# KiCad board RUSP_Mainboard_panelMockup.kicad_pcb
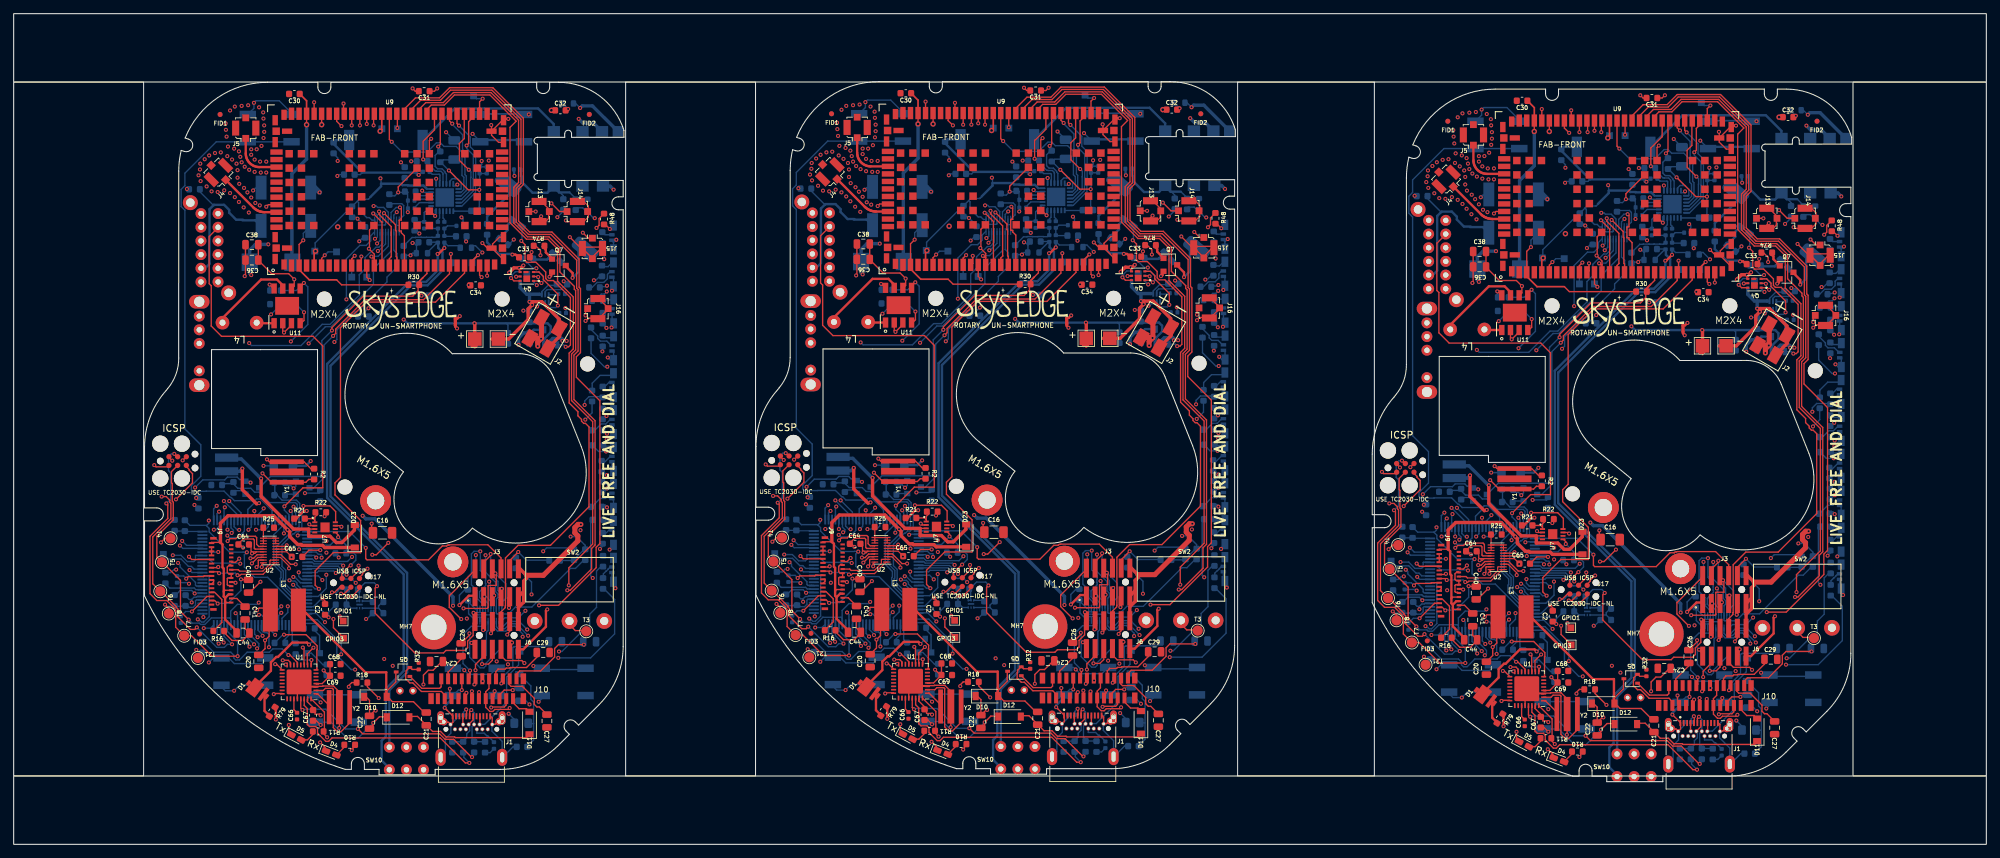
[diagram p0: board, top side]
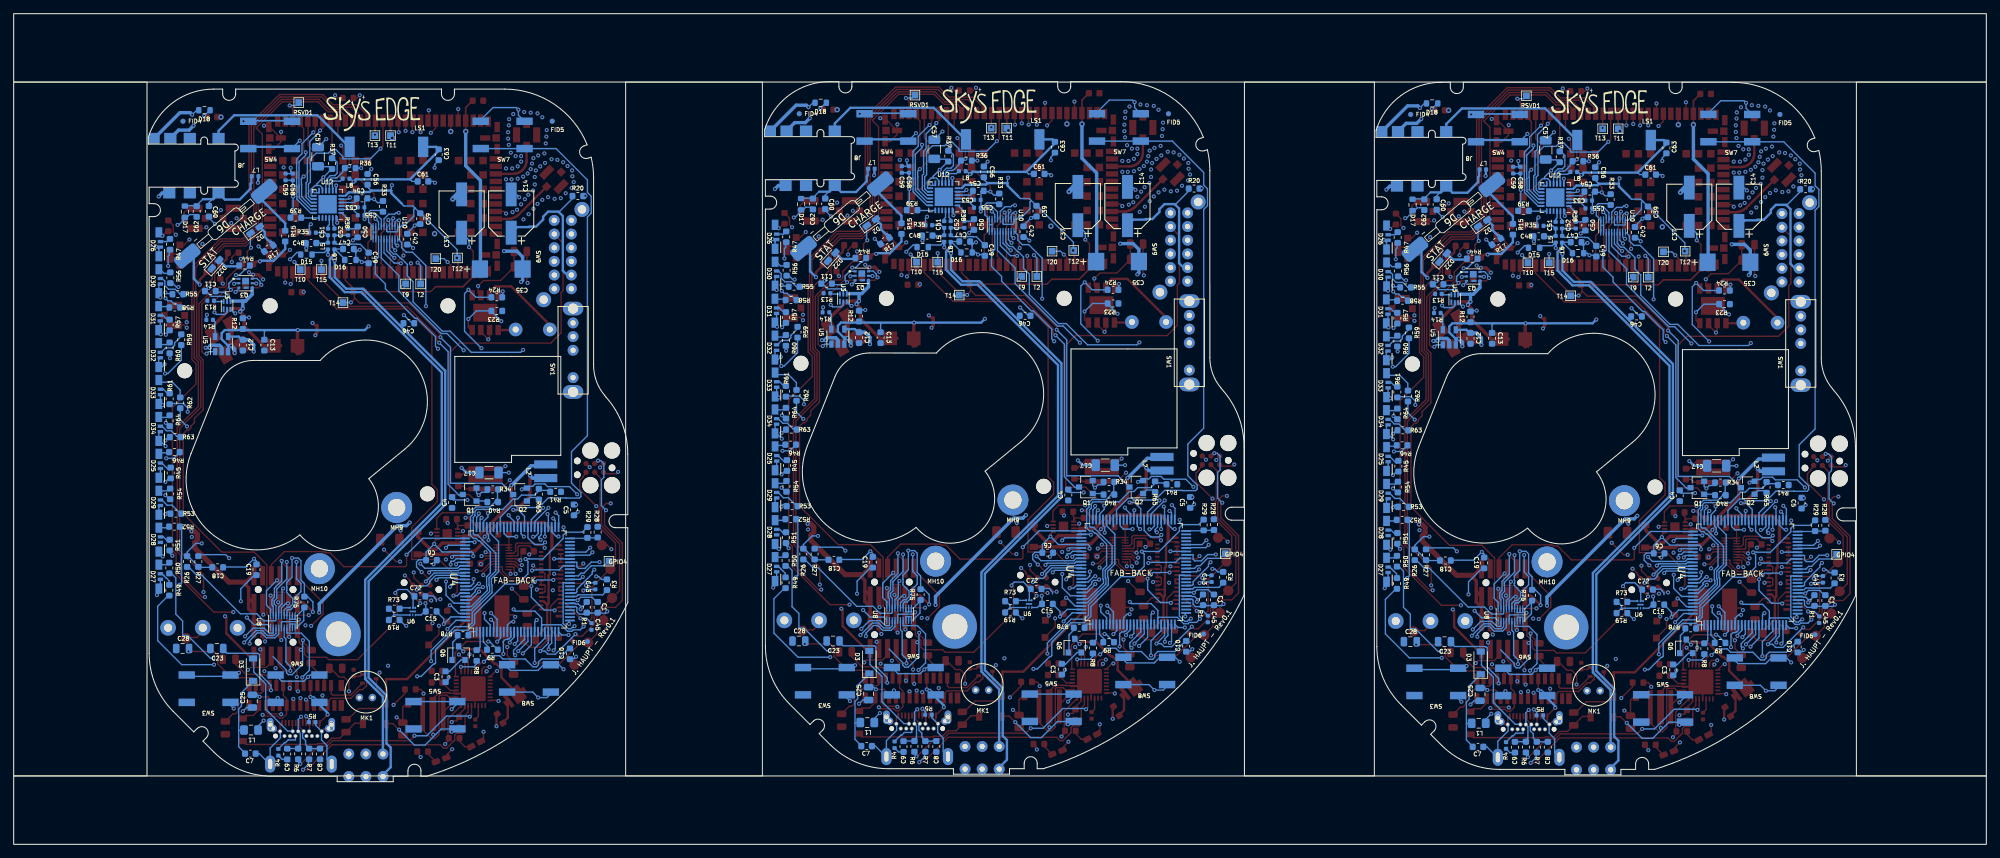
[diagram p1: board, bottom side, seen from below]

Outline 288.5 x 121.5 mm; copper layers: L1_GND+GNDA.Cu, L2_3v3+GNDA.Cu, L3_3v8+GNDA.Cu, L4_GND.Cu, L5_3v8.Cu, L6_GND.Cu. Coordinates in mm from the lower left corner of the outline.
Outline path: rectangle 0,121.5 288.5,111.5 ; rectangle 0,111.5 19,10 ; rectangle 0,10 288.5,0 ; rectangle 89.5,111.5 108.5,10 ; rectangle 179,111.5 199,10 ; rectangle 269,111.5 288.5,10 ; 37.14,111.46 arc(29.86,109.23) 25.08,103.31 25.53,103.17 arc(26.15,101.97) 24.95,101.36 24.5,101.5 arc(24.23,99.99) 24.14,98.46 24.14,71.14 arc(23.73,68.76) 22.52,66.66 22.31,66.39 arc(19.96,62.52) 19.14,58.07 19.14,49.21 20.94,49.21 arc(21.89,48.26) 20.94,47.31 19.14,47.31 19.14,36.34 arc(31.19,20.62) 48.49,10.96 49.39,10.96 49.39,11.76 arc(50.34,12.71) 51.29,11.76 51.29,10.96 53.44,10.96 53.44,10.16 61.64,10.16 61.64,10.96 71.17,10.96 arc(75.76,11.87) 79.66,14.48 81.27,16.09 80.77,16.59 arc(80.77,17.93) 82.11,17.93 82.61,17.43 85.62,20.45 arc(88.23,24.34) 89.14,28.93 89.14,92.81 88.44,92.81 arc(87.49,93.76) 88.44,94.71 89.14,94.71 89.14,97.11 81.59,97.11 81.59,96.56 arc(81.09,96.06) 80.59,96.56 80.59,97.11 76.59,97.11 arc(76.09,97.61) 76.59,98.11 76.59,102.41 arc(76.09,102.91) 76.59,103.41 80.59,103.41 80.59,103.96 arc(81.09,104.46) 81.59,103.96 81.59,103.41 89.25,103.42 89.25,104.42 arc(85.63,109.51) 79.7,111.46 78.39,111.46 78.39,110.76 arc(77.44,109.81) 76.49,110.76 76.49,111.46 46.39,111.46 46.39,110.76 arc(45.44,109.81) 44.49,110.76 44.49,111.46 37.14,111.46 ; 204.05,100.51 arc(203.78,99) 203.69,97.47 203.69,70.15 arc(203.28,67.76) 202.07,65.67 201.86,65.4 arc(199.51,61.53) 198.69,57.08 198.69,48.22 200.49,48.22 arc(201.44,47.27) 200.49,46.32 198.69,46.32 198.69,35.35 arc(210.74,19.63) 228.04,9.97 228.94,9.97 228.94,10.77 arc(229.89,11.72) 230.84,10.77 230.84,9.97 232.99,9.97 232.99,9.17 241.19,9.17 241.19,9.97 250.72,9.97 arc(255.31,10.88) 259.2,13.48 260.82,15.09 260.32,15.59 arc(260.32,16.94) 261.66,16.94 262.16,16.44 265.17,19.45 arc(267.78,23.35) 268.69,27.94 268.69,91.82 267.99,91.82 arc(267.04,92.77) 267.99,93.72 268.69,93.72 268.69,96.12 261.14,96.12 261.14,95.57 arc(260.64,95.07) 260.14,95.57 260.14,96.12 256.14,96.12 arc(255.64,96.62) 256.14,97.12 256.14,101.42 arc(255.64,101.92) 256.14,102.42 260.14,102.42 260.14,102.97 arc(260.64,103.47) 261.14,102.97 261.14,102.42 268.8,102.42 268.8,103.43 arc(265.18,108.52) 259.25,110.47 257.94,110.47 257.94,109.77 arc(256.99,108.82) 256.04,109.77 256.04,110.47 225.94,110.47 225.94,109.77 arc(224.99,108.82) 224.04,109.77 224.04,110.47 216.69,110.47 arc(209.41,108.24) 204.63,102.32 205.08,102.17 arc(205.69,100.98) 204.5,100.36 204.05,100.51 ; 236.56,53.49 231.3,57.8 arc(230.49,70.98) 243.69,70.77 253.49,70.78 arc(256.53,69.8) 258.51,67.29 262.55,57.19 arc(259.17,45.13) 246.64,45.26 arc(237.55,44.42) 236.56,53.49 ; 28.94,57.89 28.94,72.36 44.44,72.36 44.44,56.86 36.14,56.86 36.14,57.89 28.94,57.89 ; 51.75,58.8 arc(50.94,71.98) 64.14,71.76 73.94,71.77 arc(76.98,70.79) 78.97,68.29 83,58.18 arc(79.62,46.12) 67.09,46.25 arc(58,45.41) 57.01,54.48 51.75,58.8 ; 108.56,58.17 arc(109.38,62.62) 111.73,66.49 111.94,66.76 arc(113.15,68.86) 113.56,71.24 113.56,98.56 arc(113.65,100.09) 113.92,101.6 114.37,101.46 arc(115.57,102.07) 114.95,103.27 114.5,103.41 arc(119.28,109.33) 126.56,111.56 133.91,111.56 133.91,110.86 arc(134.86,109.91) 135.81,110.86 135.81,111.56 165.91,111.56 165.91,110.86 arc(166.86,109.91) 167.81,110.86 167.81,111.56 169.12,111.56 arc(175.05,109.61) 178.67,104.52 178.67,103.52 171.01,103.51 171.01,104.06 arc(170.51,104.56) 170.01,104.06 170.01,103.51 166.01,103.51 arc(165.51,103.01) 166.01,102.51 166.01,98.21 arc(165.51,97.71) 166.01,97.21 170.01,97.21 170.01,96.66 arc(170.51,96.16) 171.01,96.66 171.01,97.21 178.56,97.21 178.56,94.81 177.86,94.81 arc(176.91,93.86) 177.86,92.91 178.56,92.91 178.56,29.03 arc(177.65,24.44) 175.05,20.55 172.03,17.53 171.53,18.03 arc(170.19,18.03) 170.19,16.69 170.69,16.19 169.08,14.58 arc(165.18,11.98) 160.59,11.06 151.06,11.06 151.06,10.26 142.86,10.26 142.86,11.06 140.71,11.06 140.71,11.86 arc(139.76,12.81) 138.81,11.86 138.81,11.06 137.91,11.07 arc(120.62,20.72) 108.56,36.44 108.56,47.41 110.36,47.41 arc(111.31,48.36) 110.36,49.31 108.56,49.31 108.56,58.17 ; 118.36,57.99 118.36,72.46 133.86,72.46 133.86,56.96 125.56,56.96 125.56,57.99 118.36,57.99 ; 141.17,58.9 arc(140.36,72.08) 153.56,71.86 163.36,71.87 arc(166.4,70.89) 168.39,68.39 172.43,58.28 arc(169.04,46.22) 156.51,46.35 arc(147.43,45.51) 146.43,54.58 141.17,58.9 ; 208.49,56.89 208.49,71.37 223.99,71.37 223.99,55.87 215.69,55.87 215.69,56.89 208.49,56.89
Stack: L1_GND+GNDA.Cu 0.035mm / dielectric 0.274mm FR4 er 4.5 / L2_3v3+GNDA.Cu 0.035mm / dielectric 0.274mm FR4 er 4.5 / L3_3v8+GNDA.Cu 0.035mm / dielectric 0.274mm FR4 er 4.5 / L4_GND.Cu 0.035mm / dielectric 0.274mm FR4 er 4.5 / L5_3v8.Cu 0.035mm / dielectric 0.274mm FR4 er 4.5 / L6_GND.Cu 0.035mm

## Placement (name value [footprint] x y rotation side)
C1  27pF  [C_0603_1608Metric]  23.54 35.66 90 bottom
C1#2  27pF  [C_0603_1608Metric]  112.96 35.76 90 bottom
C1#3  27pF  [C_0603_1608Metric]  203.09 34.67 90 bottom
C2  .1uF  [C_0603_1608Metric]  45.54 34.36 270 top
C2#2  .1uF  [C_0603_1608Metric]  225.09 33.37 270 top
C2#3  .1uF  [C_0603_1608Metric]  134.96 34.46 270 top
C3  .1uF  [C_0603_1608Metric]  45.79 25.51 90 bottom
C3#2  .1uF  [C_0603_1608Metric]  135.21 25.61 90 bottom
C3#3  .1uF  [C_0603_1608Metric]  225.34 24.52 90 bottom
C4  .1uF  [C_0603_1608Metric]  44.84 50.99 270 bottom
C4#2  .1uF  [C_0603_1608Metric]  224.39 50 270 bottom
C4#3  .1uF  [C_0603_1608Metric]  134.26 51.09 270 bottom
C5  .1uF  [C_0603_1608Metric]  27.01 49.91 90 bottom
C5#2  .1uF  [C_0603_1608Metric]  206.56 48.92 90 bottom
C5#3  .1uF  [C_0603_1608Metric]  116.44 50.01 90 bottom
C6  .1uF  [C_0603_1608Metric]  47.85 42.56 180 bottom
C6#2  .1uF  [C_0603_1608Metric]  227.4 41.57 180 bottom
C6#3  .1uF  [C_0603_1608Metric]  137.27 42.66 180 bottom
C7  10nF  [C_0603_1608Metric]  74.34 14.26 180 bottom
C7#2  10nF  [C_0603_1608Metric]  253.89 13.27 180 bottom
C7#3  10nF  [C_0603_1608Metric]  163.76 14.36 180 bottom
C8  47pF  [C_0603_1608Metric]  64.14 14.21 270 bottom
C8#2  47pF  [C_0603_1608Metric]  243.69 13.22 270 bottom
C8#3  47pF  [C_0603_1608Metric]  153.56 14.31 270 bottom
C9  47pF  [C_0603_1608Metric]  68.94 14.2 270 bottom
C9#2  47pF  [C_0603_1608Metric]  248.49 13.21 270 bottom
C9#3  47pF  [C_0603_1608Metric]  158.36 14.3 270 bottom
C10  .1uF  [C_0603_1608Metric]  27.59 28.86 270 bottom
C10#2  .1uF  [C_0603_1608Metric]  117.01 28.96 270 bottom
C10#3  .1uF  [C_0603_1608Metric]  207.14 27.87 270 bottom
C11  .1uF  [C_0603_1608Metric]  80.19 81.91 180 bottom
C11#2  .1uF  [C_0603_1608Metric]  259.74 80.92 180 bottom
C11#3  .1uF  [C_0603_1608Metric]  169.61 82.01 180 bottom
C12  4.7uF  [C_0603_1608Metric]  75.44 74.01 270 bottom
C12#2  4.7uF  [C_0603_1608Metric]  164.86 74.11 270 bottom
C12#3  4.7uF  [C_0603_1608Metric]  254.99 73.02 270 bottom
C13  4.7uF  [C_0603_1608Metric]  72.29 74.01 90 bottom
C13#2  4.7uF  [C_0603_1608Metric]  251.84 73.02 90 bottom
C13#3  4.7uF  [C_0603_1608Metric]  161.71 74.11 90 bottom
C14  100uF/10V  [Capacitor_Wurth865080243007]  36.19 93.26 270 bottom
C14#2  100uF/10V  [Capacitor_Wurth865080243007]  125.61 93.36 270 bottom
C14#3  100uF/10V  [Capacitor_Wurth865080243007]  215.74 92.27 270 bottom
C15  2.2uF LOW-ESR CER.  [C_0603_1608Metric]  47.89 35.06 0 bottom
C15#2  2.2uF LOW-ESR CER.  [C_0603_1608Metric]  227.44 34.07 0 bottom
C15#3  2.2uF LOW-ESR CER.  [C_0603_1608Metric]  137.31 35.16 0 bottom
C16  10uF/35V  [R_1206_3216Metric]  53.94 45.56 0 top
C16#2  10uF/35V  [R_1206_3216Metric]  143.36 45.66 0 top
C16#3  10uF/35V  [R_1206_3216Metric]  233.49 44.57 0 top
C17  10uF/35V  [R_1206_3216Metric]  39.44 55.36 180 bottom
C17#2  10uF/35V  [R_1206_3216Metric]  218.99 54.37 180 bottom
C17#3  10uF/35V  [R_1206_3216Metric]  128.86 55.46 180 bottom
C18  .1uF  [C_0603_1608Metric]  79.12 41.51 180 bottom
C18#2  .1uF  [C_0603_1608Metric]  258.66 40.52 180 bottom
C18#3  .1uF  [C_0603_1608Metric]  168.54 41.61 180 bottom
C19  .1uF  [C_0603_1608Metric]  73.44 41.16 90 bottom
C19#2  .1uF  [C_0603_1608Metric]  162.86 41.26 90 bottom
C19#3  .1uF  [C_0603_1608Metric]  252.99 40.17 90 bottom
C20  4.7uF/25V  [C_0805_2012Metric]  35.84 26.76 90 top
C20#2  4.7uF/25V  [C_0805_2012Metric]  125.26 26.86 90 top
C20#3  4.7uF/25V  [C_0805_2012Metric]  215.39 25.77 90 top
C21  4.7uF/25V  [C_0805_2012Metric]  60.34 18.34 90 top
C21#2  4.7uF/25V  [C_0805_2012Metric]  149.76 18.44 90 top
C21#3  4.7uF/25V  [C_0805_2012Metric]  239.89 17.35 90 top
C22  4.7uF/25V  [C_0805_2012Metric]  52.04 17.86 90 top
C22#2  4.7uF/25V  [C_0805_2012Metric]  141.46 17.96 90 top
C22#3  4.7uF/25V  [C_0805_2012Metric]  231.59 16.87 90 top
C23  1uF/50V  [C_0805_2012Metric]  79.24 29.64 0 bottom
C23#2  1uF/50V  [C_0805_2012Metric]  258.79 28.65 0 bottom
C23#3  1uF/50V  [C_0805_2012Metric]  168.66 29.74 0 bottom
C24  1uF/50V  [C_0805_2012Metric]  61.84 26.74 180 top
C24#2  1uF/50V  [C_0805_2012Metric]  151.26 26.84 180 top
C24#3  1uF/50V  [C_0805_2012Metric]  241.39 25.75 180 top
C25  1uF/50V  [C_0805_2012Metric]  74.04 21.94 270 bottom
C25#2  1uF/50V  [C_0805_2012Metric]  253.59 20.95 270 bottom
C25#3  1uF/50V  [C_0805_2012Metric]  163.46 22.04 270 bottom
C26  1uF/50V  [C_0805_2012Metric]  65.44 28.46 90 top
C26#2  1uF/50V  [C_0805_2012Metric]  154.86 28.56 90 top
C26#3  1uF/50V  [C_0805_2012Metric]  244.99 27.47 90 top
C27  1uF/50V  [C_0805_2012Metric]  77.99 18.04 270 top
C27#2  1uF/50V  [C_0805_2012Metric]  257.54 17.05 270 top
C27#3  1uF/50V  [C_0805_2012Metric]  167.41 18.14 270 top
C28  1uF/50V  [C_0805_2012Metric]  84.24 29.64 0 bottom
C28#2  1uF/50V  [C_0805_2012Metric]  173.66 29.74 0 bottom
C28#3  1uF/50V  [C_0805_2012Metric]  263.79 28.65 0 bottom
C29  1uF/50V  [C_0805_2012Metric]  77.44 28.06 0 top
C29#2  1uF/50V  [C_0805_2012Metric]  256.99 27.07 0 top
C29#3  1uF/50V  [C_0805_2012Metric]  166.86 28.16 0 top
C30  68pF/50V  [C_0603_1608Metric]  41.06 109.76 180 top
C30#2  68pF/50V  [C_0603_1608Metric]  130.48 109.86 180 top
C30#3  68pF/50V  [C_0603_1608Metric]  220.6 108.77 180 top
C31  15pF/50V  [C_0603_1608Metric]  60.04 110.16 0 top
C31#2  15pF/50V  [C_0603_1608Metric]  239.59 109.17 0 top
C31#3  15pF/50V  [C_0603_1608Metric]  149.46 110.26 0 top
C32  8.2pF/50V  [C_0603_1608Metric]  79.96 107.36 0 top
C32#2  8.2pF/50V  [C_0603_1608Metric]  259.5 106.37 0 top
C32#3  8.2pF/50V  [C_0603_1608Metric]  169.38 107.46 0 top
C33  10nF/16V  [C_0603_1608Metric]  74.69 85.86 0 top
C33#2  10nF/16V  [C_0603_1608Metric]  164.11 85.96 0 top
C33#3  10nF/16V  [C_0603_1608Metric]  254.24 84.87 0 top
C34  .1uF  [C_0603_1608Metric]  67.56 81.76 0 top
C34#2  .1uF  [C_0603_1608Metric]  247.11 80.77 0 top
C34#3  .1uF  [C_0603_1608Metric]  156.99 81.86 0 top
C35  330uF/6.3V TANTALUM 45mR  [C_2917]  37.64 85.14 180 bottom
C35#2  330uF/6.3V TANTALUM 45mR  [C_2917]  217.19 84.15 180 bottom
C35#3  330uF/6.3V TANTALUM 45mR  [C_2917]  127.06 85.24 180 bottom
C36  1uF/16V  [C_0805_2012Metric]  34.84 85.46 180 top
C36#2  1uF/16V  [C_0805_2012Metric]  214.39 84.47 180 top
C36#3  1uF/16V  [C_0805_2012Metric]  124.26 85.56 180 top
C37  100uF/10V  [Capacitor_Wurth865080243007]  43.44 93.26 270 bottom
C37#2  100uF/10V  [Capacitor_Wurth865080243007]  222.99 92.27 270 bottom
C37#3  100uF/10V  [Capacitor_Wurth865080243007]  132.86 93.36 270 bottom
C38  1uF/16V  [C_0805_2012Metric]  34.84 87.71 0 top
C38#2  1uF/16V  [C_0805_2012Metric]  214.39 86.72 0 top
C38#3  1uF/16V  [C_0805_2012Metric]  124.26 87.81 0 top
C39  .1uF  [C_0603_1608Metric]  49.49 92.51 270 bottom
C39#2  .1uF  [C_0603_1608Metric]  138.91 92.61 270 bottom
C39#3  .1uF  [C_0603_1608Metric]  229.04 91.52 270 bottom
C40  1uF/16V  [C_0805_2012Metric]  34.34 37.76 270 top
C40#2  1uF/16V  [C_0805_2012Metric]  213.89 36.77 270 top
C40#3  1uF/16V  [C_0805_2012Metric]  123.76 37.86 270 top
C41  4.7uF/25V  [C_0805_2012Metric]  33.84 33.82 270 top
C41#2  4.7uF/25V  [C_0805_2012Metric]  213.39 32.83 270 top
C41#3  4.7uF/25V  [C_0805_2012Metric]  123.26 33.92 270 top
C42  .1uF  [C_0603_1608Metric]  51.39 89.51 90 bottom
C42#2  .1uF  [C_0603_1608Metric]  140.81 89.61 90 bottom
C42#3  .1uF  [C_0603_1608Metric]  230.94 88.52 90 bottom
C43  1uF  [C_0402_1005Metric]  23.89 38.76 90 bottom
C43#2  1uF  [C_0402_1005Metric]  203.44 37.77 90 bottom
C43#3  1uF  [C_0402_1005Metric]  113.31 38.86 90 bottom
C44  4.7uF/25V  [C_0805_2012Metric]  33.54 30.91 0 top
C44#2  4.7uF/25V  [C_0805_2012Metric]  122.96 31.01 0 top
C44#3  4.7uF/25V  [C_0805_2012Metric]  213.09 29.92 0 top
C45  1uF  [C_0402_1005Metric]  24.44 32.86 90 bottom
C45#2  1uF  [C_0402_1005Metric]  113.86 32.96 90 bottom
C45#3  1uF  [C_0402_1005Metric]  203.99 31.87 90 bottom
C46  27pF  [C_0603_1608Metric]  51.16 77.21 180 bottom
C46#2  27pF  [C_0603_1608Metric]  230.7 76.22 180 bottom
C46#3  27pF  [C_0603_1608Metric]  140.58 77.31 180 bottom
C47  27pF  [C_0603_1608Metric]  59.99 88.07 180 bottom
C47#2  27pF  [C_0603_1608Metric]  149.41 88.17 180 bottom
C47#3  27pF  [C_0603_1608Metric]  239.54 87.08 180 bottom
C48  10nF  [C_0603_1608Metric]  65.47 88.94 0 bottom
C48#2  10nF  [C_0603_1608Metric]  245.01 87.94 0 bottom
C48#3  10nF  [C_0603_1608Metric]  154.89 89.04 0 bottom
C49  10nF  [C_0603_1608Metric]  57.04 86.76 270 bottom
C49#2  10nF  [C_0603_1608Metric]  146.46 86.86 270 bottom
C49#3  10nF  [C_0603_1608Metric]  236.59 85.77 270 bottom
C50  2.2uF LOW-ESR CER.  [C_0603_1608Metric]  58.64 90.56 270 bottom
C50#2  2.2uF LOW-ESR CER.  [C_0603_1608Metric]  238.19 89.57 270 bottom
C50#3  2.2uF LOW-ESR CER.  [C_0603_1608Metric]  148.06 90.66 270 bottom
C51  1uF  [C_0402_1005Metric]  62.99 90.56 270 bottom
C51#2  1uF  [C_0402_1005Metric]  152.41 90.66 270 bottom
C51#3  1uF  [C_0402_1005Metric]  242.54 89.57 270 bottom
C52  1uF  [C_0402_1005Metric]  62.04 90.56 270 bottom
C52#2  1uF  [C_0402_1005Metric]  241.59 89.57 270 bottom
C52#3  1uF  [C_0402_1005Metric]  151.46 90.66 270 bottom
C53  1uF  [C_0402_1005Metric]  58.14 94.16 180 bottom
C53#2  1uF  [C_0402_1005Metric]  147.56 94.26 180 bottom
C53#3  1uF  [C_0402_1005Metric]  237.69 93.17 180 bottom
C54  2.2uF LOW-ESR CER.  [C_0603_1608Metric]  58 95.48 180 bottom
C54#2  2.2uF LOW-ESR CER.  [C_0603_1608Metric]  147.42 95.58 180 bottom
C54#3  2.2uF LOW-ESR CER.  [C_0603_1608Metric]  237.55 94.49 180 bottom
C55  1uF  [C_0402_1005Metric]  58.14 93.01 180 bottom
C55#2  1uF  [C_0402_1005Metric]  147.56 93.11 180 bottom
C55#3  1uF  [C_0402_1005Metric]  237.69 92.02 180 bottom
C56  .1uF  [C_0603_1608Metric]  57.19 98.26 90 bottom
C56#2  .1uF  [C_0603_1608Metric]  236.74 97.27 90 bottom
C56#3  .1uF  [C_0603_1608Metric]  146.61 98.36 90 bottom
C57  10uF/35V  [R_1206_3216Metric]  64.44 101.56 90 bottom
C57#2  10uF/35V  [R_1206_3216Metric]  243.99 100.57 90 bottom
C57#3  10uF/35V  [R_1206_3216Metric]  153.86 101.66 90 bottom
C58  1uF  [C_0402_1005Metric]  68.14 98.61 90 bottom
C58#2  1uF  [C_0402_1005Metric]  157.56 98.71 90 bottom
C58#3  1uF  [C_0402_1005Metric]  247.69 97.62 90 bottom
C59  1uF  [C_0402_1005Metric]  69.19 98.61 90 bottom
C59#2  1uF  [C_0402_1005Metric]  248.74 97.62 90 bottom
C59#3  1uF  [C_0402_1005Metric]  158.61 98.71 90 bottom
C60  10nF  [C_0603_1608Metric]  80.39 93.59 270 bottom
C60#2  10nF  [C_0603_1608Metric]  169.81 93.69 270 bottom
C60#3  10nF  [C_0603_1608Metric]  259.94 92.59 270 bottom
C61  10nF  [C_0603_1608Metric]  49.09 97.96 180 bottom
C61#2  10nF  [C_0603_1608Metric]  138.51 98.06 180 bottom
C61#3  10nF  [C_0603_1608Metric]  228.64 96.97 180 bottom
C62  27pF  [C_0603_1608Metric]  82.19 93.56 270 bottom
C62#2  27pF  [C_0603_1608Metric]  261.74 92.57 270 bottom
C62#3  27pF  [C_0603_1608Metric]  171.61 93.66 270 bottom
C63  27pF  [C_0603_1608Metric]  46.79 101.86 270 bottom
C63#2  27pF  [C_0603_1608Metric]  136.21 101.96 270 bottom
C63#3  27pF  [C_0603_1608Metric]  226.34 100.87 270 bottom
C64  .1uF  [C_0603_1608Metric]  33.64 43.86 180 top
C64#2  .1uF  [C_0603_1608Metric]  123.06 43.96 180 top
C64#3  .1uF  [C_0603_1608Metric]  213.19 42.87 180 top
C65  .1uF  [C_0603_1608Metric]  220.99 41.06 0 top
C65#2  .1uF  [C_0603_1608Metric]  41.44 42.05 0 top
C65#3  .1uF  [C_0603_1608Metric]  130.86 42.15 0 top
C66  1uF  [C_0402_1005Metric]  41.44 18.76 270 top
C66#2  1uF  [C_0402_1005Metric]  130.86 18.86 270 top
C66#3  1uF  [C_0402_1005Metric]  220.99 17.77 270 top
C67  .1uF  [C_0603_1608Metric]  43.79 18.86 270 top
C67#2  .1uF  [C_0603_1608Metric]  133.21 18.96 270 top
C67#3  .1uF  [C_0603_1608Metric]  223.34 17.87 270 top
C68  10nF  [C_0603_1608Metric]  47.04 26.36 0 top
C68#2  10nF  [C_0603_1608Metric]  136.46 26.46 0 top
C68#3  10nF  [C_0603_1608Metric]  226.59 25.37 0 top
C69  10nF  [C_0603_1608Metric]  47.04 24.66 0 top
C69#2  10nF  [C_0603_1608Metric]  226.59 23.67 0 top
C69#3  10nF  [C_0603_1608Metric]  136.46 24.76 0 top
C72  2.2uF LOW-ESR CER.  [C_0603_1608Metric]  49.54 37.26 0 bottom
C72#2  2.2uF LOW-ESR CER.  [C_0603_1608Metric]  229.09 36.27 0 bottom
C72#3  2.2uF LOW-ESR CER.  [C_0603_1608Metric]  138.96 37.36 0 bottom
D1  White Bell LED  [Osram_1212]  35.66 22.62 53 top
D1#2  White Bell LED  [Osram_1212]  125.08 22.72 53 top
D1#3  White Bell LED  [Osram_1212]  215.21 21.63 53 top
D2  Amber LED  [LED_0603_1608Metric_Castellated]  73.64 90.86 145 bottom
D2#2  Amber LED  [LED_0603_1608Metric_Castellated]  253.19 89.87 145 bottom
D2#3  Amber LED  [LED_0603_1608Metric_Castellated]  163.06 90.96 145 bottom
D3  VBus Protection Schottky  [D_SOD-123]  73.94 26.54 90 bottom
D3#2  VBus Protection Schottky  [D_SOD-123]  163.36 26.64 90 bottom
D3#3  VBus Protection Schottky  [D_SOD-123]  253.49 25.55 90 bottom
D4  Green LED  [LED_0603_1608Metric_Castellated]  46.44 13.36 339 top
D4#2  Green LED  [LED_0603_1608Metric_Castellated]  135.86 13.46 339 top
D4#3  Green LED  [LED_0603_1608Metric_Castellated]  225.99 12.37 339 top
D5  Amber LED  [LED_0603_1608Metric_Castellated]  41.34 15.66 332 top
D5#2  Amber LED  [LED_0603_1608Metric_Castellated]  220.89 14.67 332 top
D5#3  Amber LED  [LED_0603_1608Metric_Castellated]  130.76 15.76 332 top
D6  20mm Filament  [FilamentLED_20mm]  167.86 91.46 140 bottom
D6#2  20mm Filament  [FilamentLED_20mm]  78.44 91.36 140 bottom
D6#3  20mm Filament  [FilamentLED_20mm]  257.99 90.37 140 bottom
D10  MBR0530 Diode for ePaper  [D_SOD-123]  52.91 21.58 0 top
D10#2  MBR0530 Diode for ePaper  [D_SOD-123]  232.46 20.59 0 top
D10#3  MBR0530 Diode for ePaper  [D_SOD-123]  142.33 21.68 0 top
D11  MBR0530 Diode for ePaper  [D_SOD-123]  75.44 17.74 90 top
D11#2  MBR0530 Diode for ePaper  [D_SOD-123]  164.86 17.84 90 top
D11#3  MBR0530 Diode for ePaper  [D_SOD-123]  254.99 16.75 90 top
D12  MBR0530 Diode for ePaper  [D_SOD-123]  56.22 18.58 0 top
D12#2  MBR0530 Diode for ePaper  [D_SOD-123]  145.65 18.68 0 top
D12#3  MBR0530 Diode for ePaper  [D_SOD-123]  235.77 17.59 0 top
D15  TVS/Varistor for Audio Filtering  [R_0603_1608Metric#2]  66.14 87.26 0 bottom
D15#2  TVS/Varistor for Audio Filtering  [R_0603_1608Metric#2]  155.56 87.36 0 bottom
D15#3  TVS/Varistor for Audio Filtering  [R_0603_1608Metric#2]  245.69 86.27 0 bottom
D16  TVS/Varistor for Audio Filtering  [R_0603_1608Metric#2]  149.13 86.57 180 bottom
D16#2  TVS/Varistor for Audio Filtering  [R_0603_1608Metric#2]  239.26 85.47 180 bottom
D16#3  TVS/Varistor for Audio Filtering  [R_0603_1608Metric#2]  59.71 86.47 180 bottom
D17  TVS/Varistor for Audio Filtering  [R_0603_1608Metric#2]  173.34 93.63 270 bottom
D17#2  TVS/Varistor for Audio Filtering  [R_0603_1608Metric#2]  263.46 92.53 270 bottom
D17#3  TVS/Varistor for Audio Filtering  [R_0603_1608Metric#2]  83.91 93.53 270 bottom
D18  TVS/Varistor for Audio Filtering  [R_0603_1608Metric#2]  260.6 107.38 180 bottom
D18#2  TVS/Varistor for Audio Filtering  [R_0603_1608Metric#2]  170.47 108.47 180 bottom
D18#3  TVS/Varistor for Audio Filtering  [R_0603_1608Metric#2]  81.05 108.37 180 bottom
D22  Status LED  [LED_0603_1608Metric_Castellated]  79.44 85.84 132 bottom
D22#2  Status LED  [LED_0603_1608Metric_Castellated]  168.86 85.94 132 bottom
D22#3  Status LED  [LED_0603_1608Metric_Castellated]  258.99 84.85 132 bottom
D23  20V 500mA Schottky for 12V Stage  [D_SOD-123]  49.89 45.06 90 top
D23#2  20V 500mA Schottky for 12V Stage  [D_SOD-123]  139.31 45.16 90 top
D23#3  20V 500mA Schottky for 12V Stage  [D_SOD-123]  229.44 44.07 90 top
D25  Red/Yellow Bar Meter LED  [LED_Dialight_5988560207F]  87.49 56.36 90 bottom
D25#2  Red/Yellow Bar Meter LED  [LED_Dialight_5988560207F]  176.91 56.46 90 bottom
D25#3  Red/Yellow Bar Meter LED  [LED_Dialight_5988560207F]  267.04 55.37 90 bottom
D26  Red/Yellow Bar Meter LED  [LED_Dialight_5988560207F]  267.04 87.77 90 bottom
D26#2  Red/Yellow Bar Meter LED  [LED_Dialight_5988560207F]  176.91 88.86 90 bottom
D26#3  Red/Yellow Bar Meter LED  [LED_Dialight_5988560207F]  87.49 88.76 90 bottom
D27  Red/Yellow Bar Meter LED  [LED_Dialight_5988560207F]  176.91 40.26 90 bottom
D27#2  Red/Yellow Bar Meter LED  [LED_Dialight_5988560207F]  87.49 40.16 90 bottom
D27#3  Red/Yellow Bar Meter LED  [LED_Dialight_5988560207F]  267.04 39.17 90 bottom
D28  Red/Yellow Bar Meter LED  [LED_Dialight_5988560207F]  87.49 45.56 90 bottom
D28#2  Red/Yellow Bar Meter LED  [LED_Dialight_5988560207F]  267.04 44.57 90 bottom
D28#3  Red/Yellow Bar Meter LED  [LED_Dialight_5988560207F]  176.91 45.66 90 bottom
D29  Red/Yellow Bar Meter LED  [LED_Dialight_5988560207F]  267.04 49.97 90 bottom
D29#2  Red/Yellow Bar Meter LED  [LED_Dialight_5988560207F]  87.49 50.96 90 bottom
D29#3  Red/Yellow Bar Meter LED  [LED_Dialight_5988560207F]  176.91 51.06 90 bottom
D30  Red/Yellow Bar Meter LED  [LED_Dialight_5988560207F]  87.49 83.36 90 bottom
D30#2  Red/Yellow Bar Meter LED  [LED_Dialight_5988560207F]  267.04 82.37 90 bottom
D30#3  Red/Yellow Bar Meter LED  [LED_Dialight_5988560207F]  176.91 83.46 90 bottom
D31  Red/Yellow Bar Meter LED  [LED_Dialight_5988560207F]  87.51 77.95 90 bottom
D31#2  Red/Yellow Bar Meter LED  [LED_Dialight_5988560207F]  176.94 78.06 90 bottom
D31#3  Red/Yellow Bar Meter LED  [LED_Dialight_5988560207F]  267.06 76.96 90 bottom
D32  Red/Yellow Bar Meter LED  [LED_Dialight_5988560207F]  87.51 72.56 90 bottom
D32#2  Red/Yellow Bar Meter LED  [LED_Dialight_5988560207F]  267.06 71.57 90 bottom
D32#3  Red/Yellow Bar Meter LED  [LED_Dialight_5988560207F]  176.93 72.66 90 bottom
D33  Red/Yellow Bar Meter LED  [LED_Dialight_5988560207F]  176.91 67.26 90 bottom
D33#2  Red/Yellow Bar Meter LED  [LED_Dialight_5988560207F]  87.49 67.16 90 bottom
D33#3  Red/Yellow Bar Meter LED  [LED_Dialight_5988560207F]  267.04 66.17 90 bottom
D34  Red/Yellow Bar Meter LED  [LED_Dialight_5988560207F]  87.5 61.75 90 bottom
D34#2  Red/Yellow Bar Meter LED  [LED_Dialight_5988560207F]  176.92 61.86 90 bottom
D34#3  Red/Yellow Bar Meter LED  [LED_Dialight_5988560207F]  267.05 60.76 90 bottom
FID1  Fiducial  [Fiducial_0.75mm_Dia_1.5mm_Outer]  30.19 106.76 0 top
FID1#2  Fiducial  [Fiducial_0.75mm_Dia_1.5mm_Outer]  209.74 105.77 0 top
FID1#3  Fiducial  [Fiducial_0.75mm_Dia_1.5mm_Outer]  119.61 106.86 0 top
FID2  Fiducial  [Fiducial_0.75mm_Dia_1.5mm_Outer]  84.19 106.76 0 top
FID2#2  Fiducial  [Fiducial_0.75mm_Dia_1.5mm_Outer]  263.74 105.77 0 top
FID2#3  Fiducial  [Fiducial_0.75mm_Dia_1.5mm_Outer]  173.61 106.86 0 top
FID3  Fiducial  [Fiducial_0.75mm_Dia_1.5mm_Outer]  27.19 30.76 0 top
FID3#2  Fiducial  [Fiducial_0.75mm_Dia_1.5mm_Outer]  116.61 30.86 0 top
FID3#3  Fiducial  [Fiducial_0.75mm_Dia_1.5mm_Outer]  206.74 29.77 0 top
FID4  Fiducial  [Fiducial_0.75mm_Dia_1.5mm_Outer]  84.19 106.76 0 bottom
FID4#2  Fiducial  [Fiducial_0.75mm_Dia_1.5mm_Outer]  173.61 106.86 0 bottom
FID4#3  Fiducial  [Fiducial_0.75mm_Dia_1.5mm_Outer]  263.74 105.77 0 bottom
FID5  Fiducial  [Fiducial_0.75mm_Dia_1.5mm_Outer]  30.19 106.76 0 bottom
FID5#2  Fiducial  [Fiducial_0.75mm_Dia_1.5mm_Outer]  209.74 105.77 0 bottom
FID5#3  Fiducial  [Fiducial_0.75mm_Dia_1.5mm_Outer]  119.61 106.86 0 bottom
FID6  Fiducial  [Fiducial_0.75mm_Dia_1.5mm_Outer]  25.04 30.66 0 bottom
FID6#2  Fiducial  [Fiducial_0.75mm_Dia_1.5mm_Outer]  114.46 30.76 0 bottom
FID6#3  Fiducial  [Fiducial_0.75mm_Dia_1.5mm_Outer]  204.59 29.67 0 bottom
GPIO1  TestPoint_Alt  [TestPoint_Pad_1.0x1.0mm]  48.19 32.66 0 top
GPIO1#2  TestPoint_Alt  [TestPoint_Pad_1.0x1.0mm]  227.74 31.67 0 top
GPIO1#3  TestPoint_Alt  [TestPoint_Pad_1.0x1.0mm]  137.61 32.76 0 top
GPIO3  TestPoint_Alt  [TestPoint_Pad_1.0x1.0mm]  48.24 30.16 0 top
GPIO3#2  TestPoint_Alt  [TestPoint_Pad_1.0x1.0mm]  137.66 30.26 0 top
GPIO3#3  TestPoint_Alt  [TestPoint_Pad_1.0x1.0mm]  227.79 29.17 0 top
GPIO4  TestPoint_Alt  [TestPoint_Pad_1.0x1.0mm]  21.89 42.41 0 bottom
GPIO4#2  TestPoint_Alt  [TestPoint_Pad_1.0x1.0mm]  201.44 41.42 0 bottom
GPIO4#3  TestPoint_Alt  [TestPoint_Pad_1.0x1.0mm]  111.31 42.51 0 bottom
J1  USB C Receptacle  [USBC_CUI_UJ31-CH-G1-SMT-TR]  66.94 14.24 0 top
J1#2  USB C Receptacle  [USBC_CUI_UJ31-CH-G1-SMT-TR]  246.49 13.24 0 top
J1#3  USB C Receptacle  [USBC_CUI_UJ31-CH-G1-SMT-TR]  156.36 14.34 0 top
J2  Poke-In Battery Connector  [AVX_PokeInConnector]  77.64 74.76 330 top
J2#2  Poke-In Battery Connector  [AVX_PokeInConnector]  167.06 74.86 330 top
J2#3  Poke-In Battery Connector  [AVX_PokeInConnector]  257.19 73.77 330 top
J3  12p Male Samtec Connector  [Samtec_2x6Header_FTSH-106-01-L-DV]  70.64 38.26 0 top
J3#2  12p Male Samtec Connector  [Samtec_2x6Header_FTSH-106-01-L-DV]  250.19 37.27 0 top
J3#3  12p Male Samtec Connector  [Samtec_2x6Header_FTSH-106-01-L-DV]  160.06 38.36 0 top
J4  U.FL  [U.FL_Molex_MCRF_73412-0110_Vertical]  29.94 98.26 45 top
J4#2  U.FL  [U.FL_Molex_MCRF_73412-0110_Vertical]  209.49 97.27 45 top
J4#3  U.FL  [U.FL_Molex_MCRF_73412-0110_Vertical]  119.36 98.36 45 top
J5  U.FL  [U.FL_Molex_MCRF_73412-0110_Vertical]  33.94 104.76 0 top
J5#2  U.FL  [U.FL_Molex_MCRF_73412-0110_Vertical]  213.49 103.77 0 top
J5#3  U.FL  [U.FL_Molex_MCRF_73412-0110_Vertical]  123.36 104.86 0 top